# Allegro board LAY-38820_A.brd (continued)
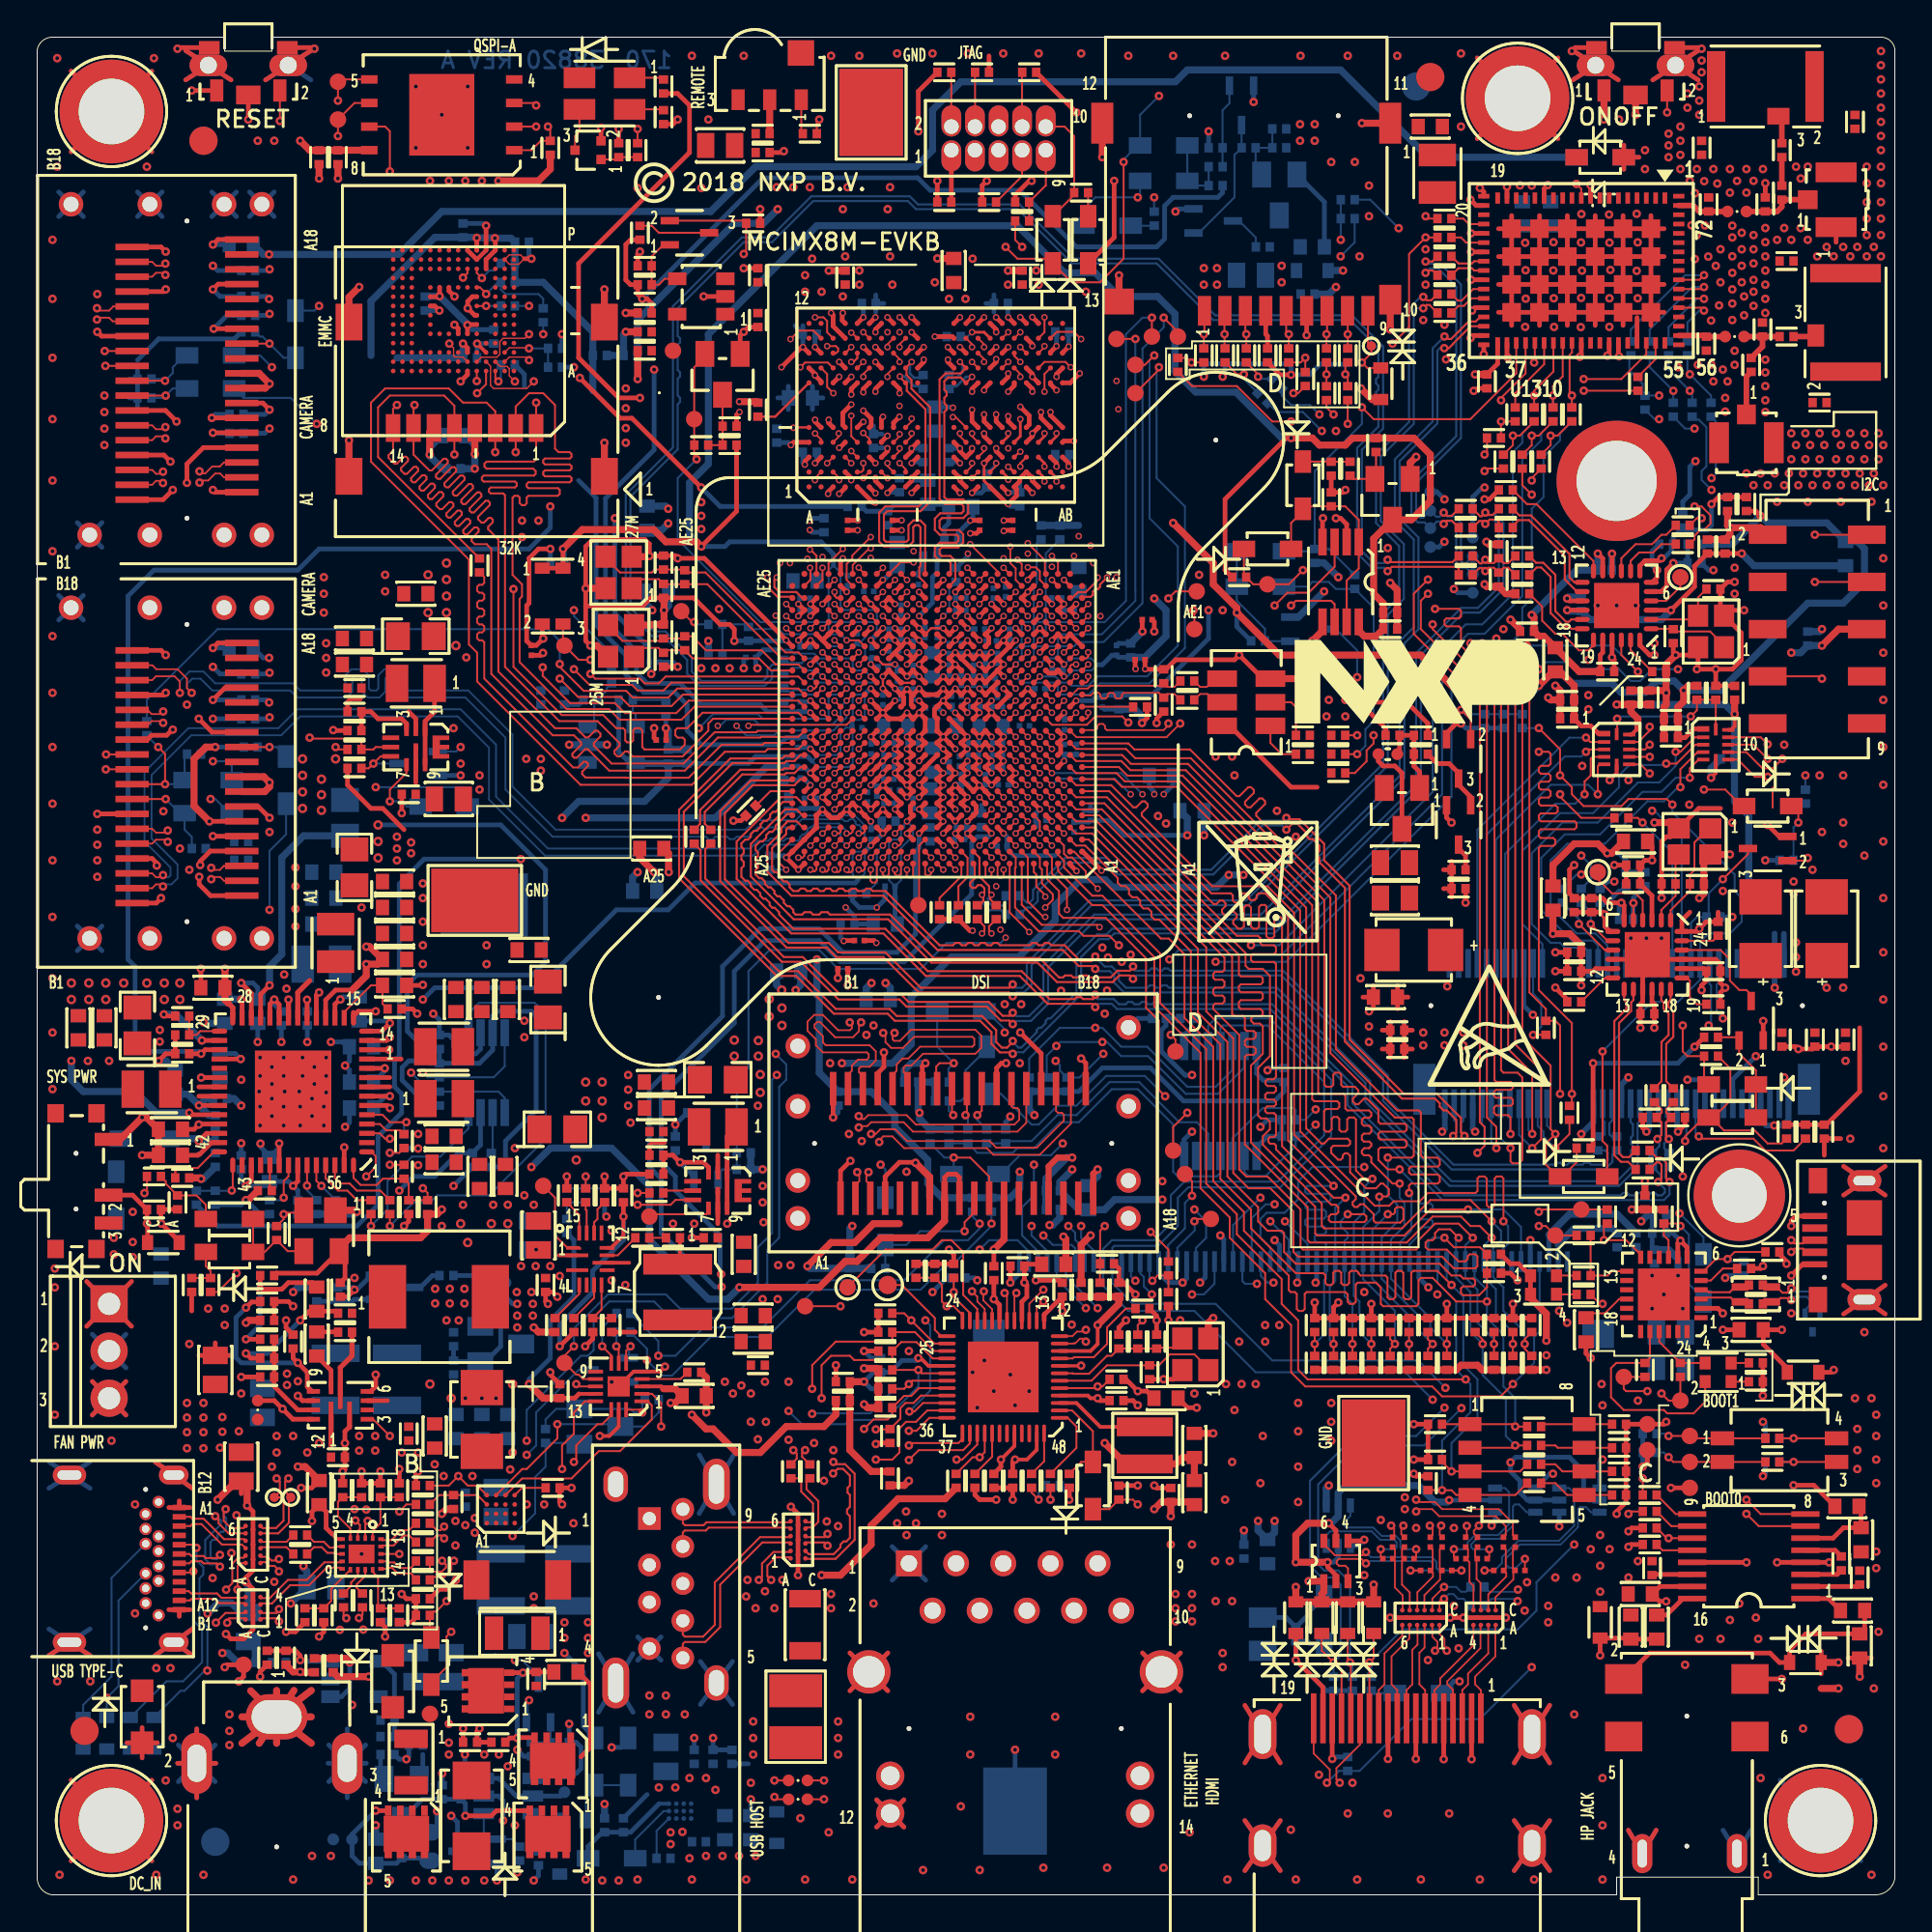
[diagram p0: board, top side]
## Copper pours and planes (outline as drawn; the poured copper is in the pictures) (continued)
GND on L8_INT_3: outline of 131 points within 0.57,0.57 99.63,99.63 ; 3 cut-outs
GND on L9_GND_4: 0.51,0.51 0.51,99.49 9.97,99.49 9.97,99.12 12.76,99.12 12.76,99.49 74.1,99.49 74.11,99.5 84.64,99.5 84.64,99.12 87.44,99.12 87.44,99.63 99.35,99.63 99.63,99.35 99.63,28.64 99.49,28.5 99.49,0.51 92.9,0.51 92.9,1.33 84.64,1.33 84.64,0.51 ; 1 cut-out
GND_CHASSIS on TOP: 38.67,14.03 62.42,14.03 63.05,13.4 63.05,10.22 62.55,9.71 59.88,9.71 58.99,10.6 46.04,10.6 45.53,10.1 38.8,10.1 38.42,10.48 38.42,13.78
VDD_ARM_0V9 on TOP: 37.02,43.12 36.96,43.18 36.96,46.1 37.15,46.29 39.43,46.29 39.69,46.04 39.69,43.12 39.43,42.86 37.15,42.86 37.02,42.99
VDD_ARM_0V9 on BOTTOM: 46.42,63.31 47.18,63.31 47.18,62.42 47.05,62.29 47.05,60.39 47.56,59.88 48.45,59.88 48.58,59.75 48.58,59.24 48.2,58.86 46.67,58.86 46.29,59.24 46.29,59.75 46.16,59.88 46.04,59.88 45.91,60.01 45.91,62.29 46.29,62.67 46.29,63.18
VDD_ARM_0V9 on L3_POWER_1: 45.02,19.75 36.13,28.64 36.13,46.04 39.81,49.72 42.35,49.72 46.04,53.4 46.04,62.42 46.16,62.55 47.05,62.55 47.43,62.17 60.51,62.17 61.15,62.8 61.78,62.8 61.85,62.86 74.36,62.86 80.14,57.09 80.14,20.95 79.18,20 72.33,20 72.07,19.75 ; 2 cut-outs
VDD_ARM_0V9 on L8_INT_3: 47.31,62.67 47.31,60.51 47.81,60.01 47.81,58.86 47.56,58.61 45.15,58.61 45.02,58.74 45.02,62.67 45.15,62.8 47.18,62.8
VDD_CBUCK_1P5 on TOP: 75.12,95.57 76.01,95.57 76.14,95.44 76.14,94.42 77.28,93.28 78.8,93.28 78.93,93.15 78.93,92.01 78.8,91.88 78.8,90.99 78.55,90.99 78.42,91.12 78.42,91.76 77.79,92.39 76.9,92.39 76.39,92.9 74.48,92.9 74.23,93.15 74.23,94.17 74.36,94.3 74.87,94.3 75.12,94.55
VDD_DRAM_0V9 on TOP: 4.51,49.34 4.63,49.47 7.94,49.47 8.06,49.34 8.06,47.94 7.94,47.81 7.17,47.81 6.92,47.56 6.92,47.31 6.67,47.05 4.63,47.05 4.51,47.18
VDD_DRAM_0V9 on BOTTOM: 46.8,67.12 47.56,67.12 47.69,67.25 48.58,67.25 48.83,66.99 50.1,66.99 50.48,67.37 50.48,67.63 50.61,67.75 51.12,67.75 51.24,67.63 51.24,67.25 51.37,67.12 51.75,67.12 51.88,66.99 51.88,66.74 51.75,66.61 50.61,66.61 50.48,66.48 50.1,66.48 50.1,66.23 49.97,66.1 48.7,66.1 48.58,66.23 47.69,66.23 47.43,65.98 46.8,65.98 46.67,66.1 46.67,66.99
VDD_DRAM_0V9 on L3_POWER_1: 44.13,62.42 44.13,54.8 35.75,46.42 35.75,34.35 35.24,33.84 5.27,33.84 3.49,35.62 3.49,53.02 4.51,54.04 17.46,54.04 19.18,55.75 19.18,59.18 27.62,67.63 42.23,67.63 42.61,68.01 43.75,68.01 44.26,68.52 46.8,68.52 47.43,67.88 51.24,67.88 51.62,68.26 52.77,68.26 53.66,67.37 57.59,67.37 58.36,68.13 60.9,68.13 61.15,67.88 61.15,63.69 60.01,62.55 47.43,62.55 47.31,62.67 44.39,62.67
VDD_DRAM_0V9 on L6_INT_2: 53.15,66.48 53.02,66.36 50.61,66.36 50.35,66.1 46.67,66.1 46.42,66.36 45.91,66.36 45.66,66.61 45.66,67.5 45.53,67.63 43.88,67.63 43.75,67.75 43.75,68.64 43.88,68.77 52.89,68.77 53.15,68.52
VDD_GPU_0V9 on TOP: 28.32,43.81 28.51,44 30.92,44 31.05,43.88 31.05,39.18 30.92,39.05 28.45,39.05 28.32,39.18
VDD_GPU_0V9 on BOTTOM: 51.5,62.42 51.62,62.29 51.62,60.26 51.5,60.13 50.61,60.13 50.48,60.26 50.48,62.42 50.35,62.55 50.35,63.31 50.99,63.31 51.12,63.18 51.12,62.67 51.37,62.42
VDD_GPU_0V9 on L4_INT_1: 50.48,62.55 51.12,62.55 51.5,62.93 51.5,67.25 51.62,67.37 72.33,67.37 77.28,62.42 77.28,38.16 74.74,35.62 74.48,35.62 67.12,28.26 28.89,28.26 28.38,28.76 27.49,28.76 26.99,29.27 26.99,29.91 27.05,29.97 27.05,50.67 28.26,51.88 47.43,51.88 50.23,54.67 50.23,62.29 ; 2 cut-outs
VDD_PHY_0V9 on BOTTOM: 39.94,59.5 44,59.5 44.13,59.37 44.13,59.12 44.26,58.99 45.02,58.99 45.02,59.12 45.15,59.24 45.66,59.24 45.78,59.12 45.78,58.36 45.66,58.23 44.51,58.23 44.26,58.48 42.73,58.48 42.35,58.86 39.94,58.86 39.81,58.99 39.81,59.37
VDD_PHY_0V9 on BOTTOM: 48.58,57.34 48.96,57.72 48.96,57.85 49.08,57.97 49.47,57.97 49.59,57.85 49.59,56.58 49.97,56.2 49.97,54.67 49.72,54.42 47.81,54.42 47.56,54.67 47.56,56.7 47.81,56.96 48.45,56.96 48.58,57.09
VDD_PHY_0V9 on L4_INT_1: 25.46,49.59 17.84,49.59 17.46,49.97 17.46,51.62 21.53,55.69 38.04,55.69 41.54,59.2 49.77,59.2 49.97,58.99 49.97,54.8 47.43,52.26 28.13,52.26
VDD_PHY_3V3 on TOP: 65.21,55.31 65.21,54.8 64.96,54.55 63.56,54.55 60.01,58.1 60.01,58.74 60.13,58.86 61.66,58.86
VDD_PHY_3V3 on BOTTOM: 49.21,60.01 50.23,60.01 50.35,59.88 50.35,59.63 50.48,59.5 53.28,59.5 53.4,59.63 58.1,59.63 59.12,58.61 60.9,58.61 61.02,58.48 61.02,57.47 60.9,57.34 58.74,57.34 57.85,58.23 55.69,58.23 55.31,58.61 53.53,58.61 52.89,57.97 50.23,57.97 49.97,58.23 49.21,58.23 49.08,58.36 49.08,59.88
VDD_SOC_0V9 on TOP: 20.64,66.99 20.64,71.94 20.76,72.07 22.54,72.07 22.8,71.82 22.8,67.12 22.54,66.86 20.76,66.86
VDD_SOC_0V9 on BOTTOM: 47.56,65.21 47.69,65.09 48.7,65.09 48.96,65.34 51.12,65.34 51.24,65.21 51.24,64.83 51.12,64.71 50.1,64.71 49.97,64.83 49.59,64.83 49.39,64.63 49.39,64.37 49.34,64.32 49.08,64.32 48.98,64.22 48.98,63.52 48.89,63.44 48.7,63.44 48.32,63.82 48.32,64.83 47.69,64.83 47.56,64.71 46.04,64.71 45.95,64.8 45.95,65.38 46.09,65.52 46.5,65.52 46.8,65.21
VDD_SOC_0V9 on BOTTOM: 47.81,61.53 47.81,62.29 47.94,62.42 48.96,62.42 49.08,62.29 49.08,62.17 49.21,62.04 49.72,62.04 49.85,61.91 49.85,61.15 49.34,61.15 49.34,60.9 49.21,60.77 48.96,60.77 48.58,61.15 48.58,61.28 48.45,61.4 47.94,61.4
VDD_SOC_0V9 on L4_INT_1: 13.52,92.01 16.32,94.8 46.8,94.8 48.83,92.77 55.69,92.77 57.59,90.87 57.59,86.42 56.45,85.28 52.51,85.28 51.37,84.14 51.37,78.55 50.74,77.91 50.74,68.26 51.12,67.88 51.12,62.93 50.86,62.67 50.1,62.67 49.97,62.55 49.97,59.5 49.78,59.3 41.4,59.3 38.04,55.94 21.78,55.94 20.13,57.59 13.78,57.59 13.52,57.85 ; 1 cut-out
VDD_SOC_0V9 on L8_INT_3: 48.58,65.34 51.75,65.34 51.88,65.21 51.88,60.77 51.62,60.51 48.83,60.51 48.58,60.77 48.58,62.42 48.96,62.8 49.47,62.8 49.7,63.03 49.7,63.81 49.52,63.98 48.54,63.98 48.45,64.07 48.45,65.21
VDD_VPU_0V9 on TOP: 35.24,53.4 39.69,48.96 40.32,48.96 40.45,48.83 40.45,46.8 40.19,46.54 38.29,46.54 34.1,50.74 30.92,50.74 28.64,48.45 26.73,48.45 26.48,48.7 26.48,50.48 26.61,50.61 26.61,52.13 27.88,53.4
VDD_VPU_0V9 on BOTTOM: 50.61,64.58 51.24,64.58 51.37,64.71 51.37,65.09 51.75,65.09 51.75,64.83 51.88,64.71 51.88,64.32 51.75,64.2 51.62,64.2 51.5,64.07 51.5,63.56 51.37,63.44 50.61,63.44 50.48,63.56 50.48,64.45
VDD_VPU_0V9 on L6_INT_2: 49.97,60.39 49.97,54.67 49.47,54.16 49.47,53.66 48.45,52.64 48.45,46.8 46.04,44.39 44.13,44.39 43.5,45.02 42.86,45.02 41.34,46.54 39.94,46.54 39.18,47.31 39.18,54.55 41.59,56.96 43.37,56.96 43.75,57.34 43.75,57.72 44.26,58.23 44.26,58.74 45.02,59.5 45.02,64.58 45.15,64.71 51.37,64.71 51.75,64.32 51.75,63.44 51.24,62.93 51.24,61.28 51.12,61.15 50.74,61.15
VDDA_1V8 on TOP: 25.97,74.36 27.62,74.36 28.38,75.12 31.56,75.12 31.81,75.37 35.88,75.37 36,75.25 36,73.47 35.88,73.34 33.84,73.34 33.34,73.85 29.15,73.85 28,72.71 25.97,72.71 25.84,72.83 25.84,74.23
VDDA_1V8 on BOTTOM: 45.78,64.58 45.66,64.45 45.4,64.45 45.27,64.58 45.27,64.83 45.02,65.09 45.02,65.47 45.4,65.85 45.66,65.85 45.78,65.72
VDDA_1V8 on L6_INT_2: 12.13,53.02 12.13,51.37 10.35,49.59 9.97,49.59 9.21,48.83 8.32,48.83 6.67,50.48 6.67,53.28 7.68,54.29 9.33,54.29 9.84,54.8 9.84,55.56 10.86,56.58 10.86,66.1 14.03,69.28 14.03,72.71 16.32,74.99 27.11,74.99 27.24,74.87 27.24,73.6 26.48,72.83 19.87,72.83 18.35,71.31 18.35,67.5 13.14,62.29 13.14,56.7 12.89,56.45 12.89,53.78
VDDA_1V8 on L8_INT_3: 44.39,67.12 43.75,67.75 42.1,67.75 41.72,67.37 41.34,67.37 41.08,67.63 39.18,67.63 36.38,70.42 36.38,72.58 35.24,73.72 35.24,75.12 35.5,75.37 41.72,75.37 43.12,73.98 43.12,71.94 43.5,71.56 43.5,70.29 44.39,69.4 48.83,69.4 49.59,68.64 51.12,68.64 51.24,68.52 51.24,65.85 51.12,65.72 48.58,65.72 48.2,65.34 48.2,64.07 48.45,63.82 49.47,63.82 49.56,63.73 49.56,63.27 49.34,63.05 48.96,63.05 48.32,62.42 48.32,60.9 48.07,60.64 47.56,60.64 47.31,60.9 47.31,61.28 47.69,61.66 47.69,62.67 47.31,63.05 44.51,63.05 44.39,63.18
(no net) on L2_GND_1: 0.51,0.51 0.51,99.49 9.97,99.49 9.97,99.12 12.76,99.12 12.76,99.49 74.1,99.49 74.11,99.5 84.64,99.5 84.64,99.12 87.44,99.12 87.44,99.63 99.35,99.63 99.63,99.35 99.63,28.64 99.49,28.5 99.49,0.51 92.9,0.51 92.9,1.33 84.64,1.33 84.64,0.51 ; 5 cut-outs
DC_IN on TOP: 14.54,4.38 13.91,5.02 11.24,5.02 10.73,5.52 10.73,10.48 11.62,11.37 20.26,11.37 20.38,11.24 20.38,10.73 20.76,10.35 21.4,10.35 21.65,10.1 21.65,7.43 21.53,7.3 19.24,7.3 18.73,6.79 18.73,5.65 17.46,4.38
DCDC_3V3 on TOP: 36.38,35.11 36.38,35.62 36.26,35.75 33.84,35.75 33.76,35.82 33.76,36.29 33.86,36.38 36.38,36.38 36.51,36.51 36.51,38.17 36.57,38.23 36.73,38.23 36.8,38.16 36.8,36.47 36.89,36.38 39.18,36.38 39.43,36.13 39.43,34.99 39.18,34.73 36.77,34.73
DCDC_3V3 on TOP: 22.16,35.5 22.16,36.13 22.41,36.38 25.59,36.38 25.97,36 25.97,34.99 25.59,34.61 25.59,30.16 26.22,29.53 26.22,25.97 25.84,25.59 22.67,25.59 22.03,24.95 19.37,24.95 18.48,25.84 18.48,26.22 18.22,26.48 17.33,26.48 17.33,26.73 18.22,26.73 18.86,27.37 18.86,28 21.27,30.42 21.27,34.61
DCDC_3V3 on TOP: 20.13,60.01 20.26,60.13 21.78,60.13 21.91,60.01 21.91,57.85 22.16,57.59 24.57,57.59 24.83,57.85 24.83,61.15 25.08,61.4 27.24,61.4 27.49,61.15 27.49,56.7 26.48,55.69 21.02,55.69 20.89,55.56 19.24,55.56 18.99,55.82 18.99,56.96 20.13,58.1
DCDC_3V3 on BOTTOM: 28.26,61.66 28.64,61.28 30.42,61.28 30.54,61.15 30.54,59.75 30.42,59.63 26.35,59.63 26.1,59.88 26.1,62.67 22.67,66.1 22.67,66.74 22.8,66.86 24.07,66.86 26.61,64.32 28.76,64.32 28.89,64.2 28.89,63.31 28.26,62.67
DCDC_3V3 on BOTTOM: 21.14,31.81 21.14,32.7 21.27,32.83 23.43,32.83 24.57,31.69 24.57,30.03 24.45,29.91 22.92,29.91 22.8,30.03 21.91,30.03 21.78,30.16 21.78,31.56 21.65,31.69 21.27,31.69
DCDC_3V3 on BOTTOM: 22.16,25.46 22.03,25.59 22.03,26.86 21.65,27.24 21.02,27.24 20.89,27.37 20.89,28.13 21.02,28.26 22.67,28.26 23.18,27.75 25.72,27.75 25.97,27.49 25.97,25.59 25.84,25.46
DCDC_3V3 on L4_INT_1: 19.87,57.34 20.38,56.83 20.38,54.93 17.21,51.75 17.21,49.59 17.72,49.08 25.97,49.08 26.61,48.45 26.61,28.64 24.95,26.99 12.76,26.99 7.68,32.07 7.68,43.75 9.21,45.27 9.21,47.18 10.73,48.7 12.51,48.7 14.29,50.48 14.29,56.96 14.67,57.34
DCDC_3V3 on L8_INT_3: 22.67,36.38 32.32,36.38 32.96,37.02 39.56,37.02 39.81,36.77 39.81,35.88 39.56,35.62 34.73,35.62 33.53,34.42 22.73,34.42 22.41,34.73 22.41,36.13
DCDC_5V on TOP: 24.07,20.76 24.19,20.76 24.32,20.64 24.32,19.87 23.56,19.11 22.67,19.11 22.29,19.49 22.29,20.26 22.41,20.38 22.67,20.38 22.8,20.51 22.8,20.89 23.05,21.14 23.68,21.14
DCDC_5V on TOP: 9.97,65.59 9.97,66.74 10.1,66.86 12.76,66.86 13.02,66.61 13.02,65.72 12.76,65.47 10.1,65.47 ; 1 cut-out
DCDC_5V on TOP: 9.97,87.31 9.97,88.45 10.1,88.58 12.76,88.58 13.02,88.33 13.02,87.44 12.76,87.18 10.1,87.18 ; 1 cut-out
DCDC_5V on TOP: 56.2,36.38 55.05,36.38 54.93,36.51 54.93,39.05 55.18,39.31 56.2,39.31 56.32,39.18 56.32,36.51 ; 1 cut-out
DCDC_5V on TOP: 61.78,36.89 65.85,32.83 65.85,27.37 65.72,27.24 63.94,27.24 63.82,27.37 63.82,32.32 59.88,36.26 59.88,38.67 60.01,38.8 61.15,38.8 61.78,38.16
DCDC_5V on TOP: 31.81,30.03 31.81,31.43 32.07,31.69 38.16,31.69 38.29,31.56 38.29,29.15 38.67,28.76 38.67,27.24 39.56,26.35 39.56,24.83 39.05,24.32 38.04,24.32 36.77,25.59 36.77,28 36,28.76 34.23,28.76 33.72,29.27 32.57,29.27
DCDC_5V on BOTTOM: 66.99,18.22 66.99,15.94 66.74,15.68 65.09,15.68 64.83,15.43 64.83,13.78 64.96,13.65 66.99,13.65 67.12,13.52 67.12,10.6 66.99,10.48 63.69,10.48 63.18,10.98 63.18,18.1 63.44,18.35 66.86,18.35
DCDC_5V on BOTTOM: 18.99,11.49 18.99,10.1 18.73,9.84 18.73,9.21 18.6,9.08 18.1,9.08 17.33,9.84 17.33,11.75 17.59,12 18.48,12
DCDC_5V on BOTTOM: 8.19,37.02 8.19,34.48 7.81,34.1 4.13,34.1 3.75,34.48 3.75,37.02 4,37.27 7.94,37.27
DCDC_5V on BOTTOM: 23.94,20.89 25.34,20.89 25.46,20.76 25.46,19.87 24.7,19.11 22.67,19.11 21.91,19.87 21.91,20.89 22.16,21.14 23.68,21.14
DCDC_5V on BOTTOM: 32.57,7.05 32.83,7.3 36.64,7.3 36.77,7.17 36.77,5.52 36.64,5.4 35.24,5.4 34.96,5.11 34.96,4.84 34.88,4.76 34.66,4.76 34.56,4.66 34.56,4.42 34.51,4.37 34.34,4.37 34.26,4.45 34.26,5.02 34.13,5.14 32.7,5.14 32.57,5.27
DCDC_5V on BOTTOM: 60.77,36.38 59.75,35.37 57.21,35.37 56.2,36.38 55.82,36.38 55.56,36.64 55.56,37.27 55.31,37.53 54.93,37.53 54.8,37.65 54.8,38.54 55.94,39.69 55.94,40.83 57.21,42.1 60.01,42.1 60.77,41.34
DCDC_5V on L4_INT_1: 40.45,14.03 40.58,13.91 40.58,4.38 39.69,3.49 15.05,3.49 10.6,7.94 10.6,21.27 8.7,23.18 1.59,23.18 1.21,23.56 1.21,87.95 2.73,89.47 12.89,89.47 13.27,89.09 13.27,57.47 13.78,56.96 13.78,50.61 12.51,49.34 10.98,49.34 8.7,47.05 8.7,45.4 7.43,44.13 7.43,31.94 12.76,26.61 25.21,26.61 26.48,27.88 66.23,27.88 66.86,27.24 66.86,11.75 66.1,10.98 62.93,10.98 62.42,11.49 62.42,17.59 60.9,19.11 45.53,19.11
ENET_AVDDL_1V1 on BOTTOM: 51.24,32.19 55.31,32.19 56.2,31.3 56.2,29.15 56.58,28.76 56.58,26.1 57.21,25.46 62.04,25.46 62.42,25.08 62.42,20.38 62.17,20.13 60.01,20.13 59.63,20.51 59.63,22.16 59.24,22.54 52.26,22.54 51.5,23.3 51.5,24.32 53.53,26.35 53.53,30.67 53.02,31.18 51.24,31.18 50.99,31.43 50.99,31.94
NVCC_1V8 on TOP: 46.16,38.92 46.42,39.18 47.43,39.18 47.56,39.05 47.56,36 47.43,35.88 46.29,35.88 46.16,36 ; 1 cut-out
NVCC_1V8 on TOP: 12.13,79.69 12.13,78.55 12,78.42 9.33,78.42 9.08,78.68 9.08,79.56 9.33,79.82 12,79.82 ; 1 cut-out
NVCC_1V8 on TOP: 12,57.97 12,56.83 11.87,56.7 9.21,56.7 8.95,56.96 8.95,57.85 9.21,58.1 11.87,58.1 ; 1 cut-out
NVCC_1V8 on TOP: 18.6,57.85 18.6,55.69 18.48,55.56 15.81,55.56 15.68,55.69 15.68,57.85 15.81,57.97 18.48,57.97
NVCC_1V8 on BOTTOM: 51.75,77.53 50.61,78.68 50.61,80.33 50.48,80.45 50.48,84.23 50.35,84.36 48.2,84.36 46.24,82.4 46.24,78.64 46.29,78.59 46.29,76.9 45.66,76.26 45.66,75.37 45.53,75.25 43.37,75.25 42.61,76.01 42.61,77.79 42.23,78.17 41.59,78.17 41.34,78.42 41.34,82.1 42.35,83.12 42.35,84.77 40.7,86.42 40.7,87.69 42.1,89.09 48.96,89.09 50.74,87.31 54.16,87.31 54.8,86.68 56.7,86.68 57.85,85.53 57.85,74.61 57.47,74.23 51.88,74.23 51.75,74.36
NVCC_1V8 on BOTTOM: 9.71,57.34 10.73,57.34 10.86,57.21 10.86,55.43 10.6,55.18 10.1,55.18 9.59,55.69 8.95,55.69 8.83,55.82 8.83,57.85 9.08,58.1 9.46,58.1 9.59,57.97 9.59,57.47
NVCC_1V8 on BOTTOM: 2.98,81.22 4.63,82.87 5.52,82.87 5.65,82.74 5.65,80.07 5.78,79.95 9.59,79.95 9.71,79.82 9.71,78.29 9.84,78.17 14.54,78.17 16.19,79.82 16.19,85.15 16.57,85.53 19.24,85.53 19.75,85.03 19.75,82.74 20.89,81.6 31.69,81.6 31.94,81.34 31.94,77.79 29.15,74.99 5.02,74.99 2.98,77.02 ; 1 cut-out
NVCC_1V8 on L3_POWER_1: 5.14,58.23 12.25,58.23 12.64,57.85 18.35,57.85 18.6,57.59 18.6,55.69 17.46,54.55 0.95,54.55 0.57,54.93 0.57,87.06 0.82,87.31 3.75,87.31 4.13,86.93 4.13,59.24
NVCC_1V8 on L6_INT_2: 48.83,42.23 48.83,40.07 47.43,38.67 46.54,38.67 46.42,38.8 46.42,42.48 46.54,42.61 48.45,42.61
NVCC_1V8 on L8_INT_3: 36.89,88.96 42.23,88.96 42.48,88.71 42.48,85.91 34.48,77.91 31.69,77.91 31.43,78.17 31.43,83.5
NVCC_1V8 on L8_INT_3: 20.07,14.1 19.62,13.65 19.37,13.65 18.22,14.79 18.22,21.02 17.84,21.4 16.95,21.4 16.45,20.89 16.45,20.13 15.43,19.11 11.49,19.11 11.24,19.37 9.33,19.37 9.08,19.62 8.7,19.62 5.4,22.92 5.4,32.07 0.57,36.89 0.57,57.47 0.7,57.59 4.32,57.59 4.57,57.34 4.57,44.96 5.4,44.13 5.4,41.21 12.38,34.23 12.38,22.41 12.76,22.03 13.65,22.03 14.54,22.92 14.54,23.05 16.83,25.34 19.11,25.34 19.56,25.78 19.56,28.32 21.53,30.29 26.86,30.29 28.76,32.19 31.94,32.19 32.89,33.15 34.42,33.15 36,34.73 41.59,34.73 42.73,35.88 42.73,36.51 43.75,37.53 45.15,37.53 46.8,39.18 46.93,39.18 47.05,39.05 47.05,38.92 44.64,36.51 44,36.51 43.62,36.13 43.62,35.62 40.96,32.96 38.29,32.96 37.53,33.72 36.64,33.72 31.43,28.51 28.76,28.51 28,27.75 25.97,27.75 21.65,23.43 20.83,23.43 20.07,22.67
NVCC_3V3 on TOP: 14.92,63.56 14.41,63.05 10.22,63.05 9.97,63.31 9.97,64.32 10.22,64.58 13.65,64.58 13.78,64.71 13.78,84.39 13.4,84.77 10.1,84.77 9.97,84.9 9.97,86.17 10.1,86.3 14.29,86.3 14.92,85.66 ; 2 cut-outs
NVCC_3V3 on TOP: 81.09,30.29 81.85,30.29 81.98,30.16 81.98,28 81.85,27.88 81.09,27.88 80.96,28 80.96,30.16
NVCC_3V3 on TOP: 52.51,39.05 52.77,39.31 53.78,39.31 53.91,39.18 53.91,36.51 54.16,36.26 54.93,36.26 55.69,35.5 55.69,34.86 55.56,34.73 53.02,34.73 52.51,35.24 ; 1 cut-out
NVCC_3V3 on TOP: 36.51,87.31 36.64,87.44 37.78,87.44 38.16,87.06 39.43,87.06 39.56,87.18 39.56,90.74 39.18,91.12 37.15,91.12 37.02,91.25 37.02,95.19 37.15,95.31 38.8,95.31 38.92,95.19 38.92,93.15 39.05,93.03 41.59,93.03 41.97,92.65 41.97,88.71 40.83,87.57 40.83,86.3 39.43,84.9 37.91,84.9 37.65,84.64 36.64,84.64 36.51,84.77
NVCC_3V3 on TOP: 68.26,64.32 68.77,64.83 72.07,64.83 72.2,64.71 72.2,63.31 72.07,63.18 70.04,63.18 69.91,63.05 69.91,60.01 70.04,59.88 71.06,59.88 71.56,60.39 72.96,60.39 73.09,60.26 73.09,58.86 72.71,58.48 72.71,56.32 72.83,56.2 72.83,52.77 72.71,52.64 71.31,52.64 71.18,52.77 71.18,54.67 69.79,56.07 69.79,56.83 68.26,58.36
NVCC_3V3 on BOTTOM: 27.11,28.89 26.99,28.76 25.46,28.76 25.34,28.89 25.34,31.94 25.46,32.07 26.99,32.07 27.11,31.94
NVCC_3V3 on BOTTOM: 66.93,93.6 66.99,93.66 66.99,95.57 67.12,95.69 68.9,95.69 69.15,95.44 69.15,92.26 68.64,91.76 67.12,91.76 66.93,91.95
NVCC_3V3 on BOTTOM: 53.53,55.94 53.53,57.47 53.66,57.59 54.93,57.59 55.05,57.72 55.05,57.85 55.18,57.97 55.31,57.97 55.43,57.85 55.43,57.59 55.69,57.34 57.72,57.34 58.36,56.7 63.05,56.7 63.56,57.21 63.56,59.12 61.66,61.02 58.74,61.02 58.36,60.64 57.34,60.64 57.21,60.51 54.55,60.51 54.42,60.39 54.42,59.75 54.29,59.63 52.64,59.63 52.64,61.91 53.28,62.55 53.28,63.44 52.77,63.94 52.77,64.96 52.89,65.09 53.78,65.09 53.91,64.96 53.91,64.32 54.16,64.07 54.93,64.07 55.05,63.94 55.05,63.18 55.18,63.05 59.24,63.05 62.55,66.36 70.04,66.36 71.56,64.83 71.56,63.44 70.93,62.8 70.17,62.8 62.93,55.56 58.23,55.56 57.72,56.07 55.18,56.07 54.93,55.82 53.66,55.82
NVCC_3V3 on BOTTOM: 60.64,31.18 61.91,31.18 62.55,30.54 62.55,26.99 61.4,25.84 57.59,25.84 56.83,26.61 56.83,28.89 58.48,30.54 60.01,30.54
NVCC_3V3 on L3_POWER_1: 45.91,61.91 45.91,53.66 42.35,50.1 41.97,50.1 41.21,50.86 41.21,51.5 44.39,54.67 44.39,62.29 44.64,62.55 45.27,62.55